# Allegro board Flatburn-main PCB.brd (continued)
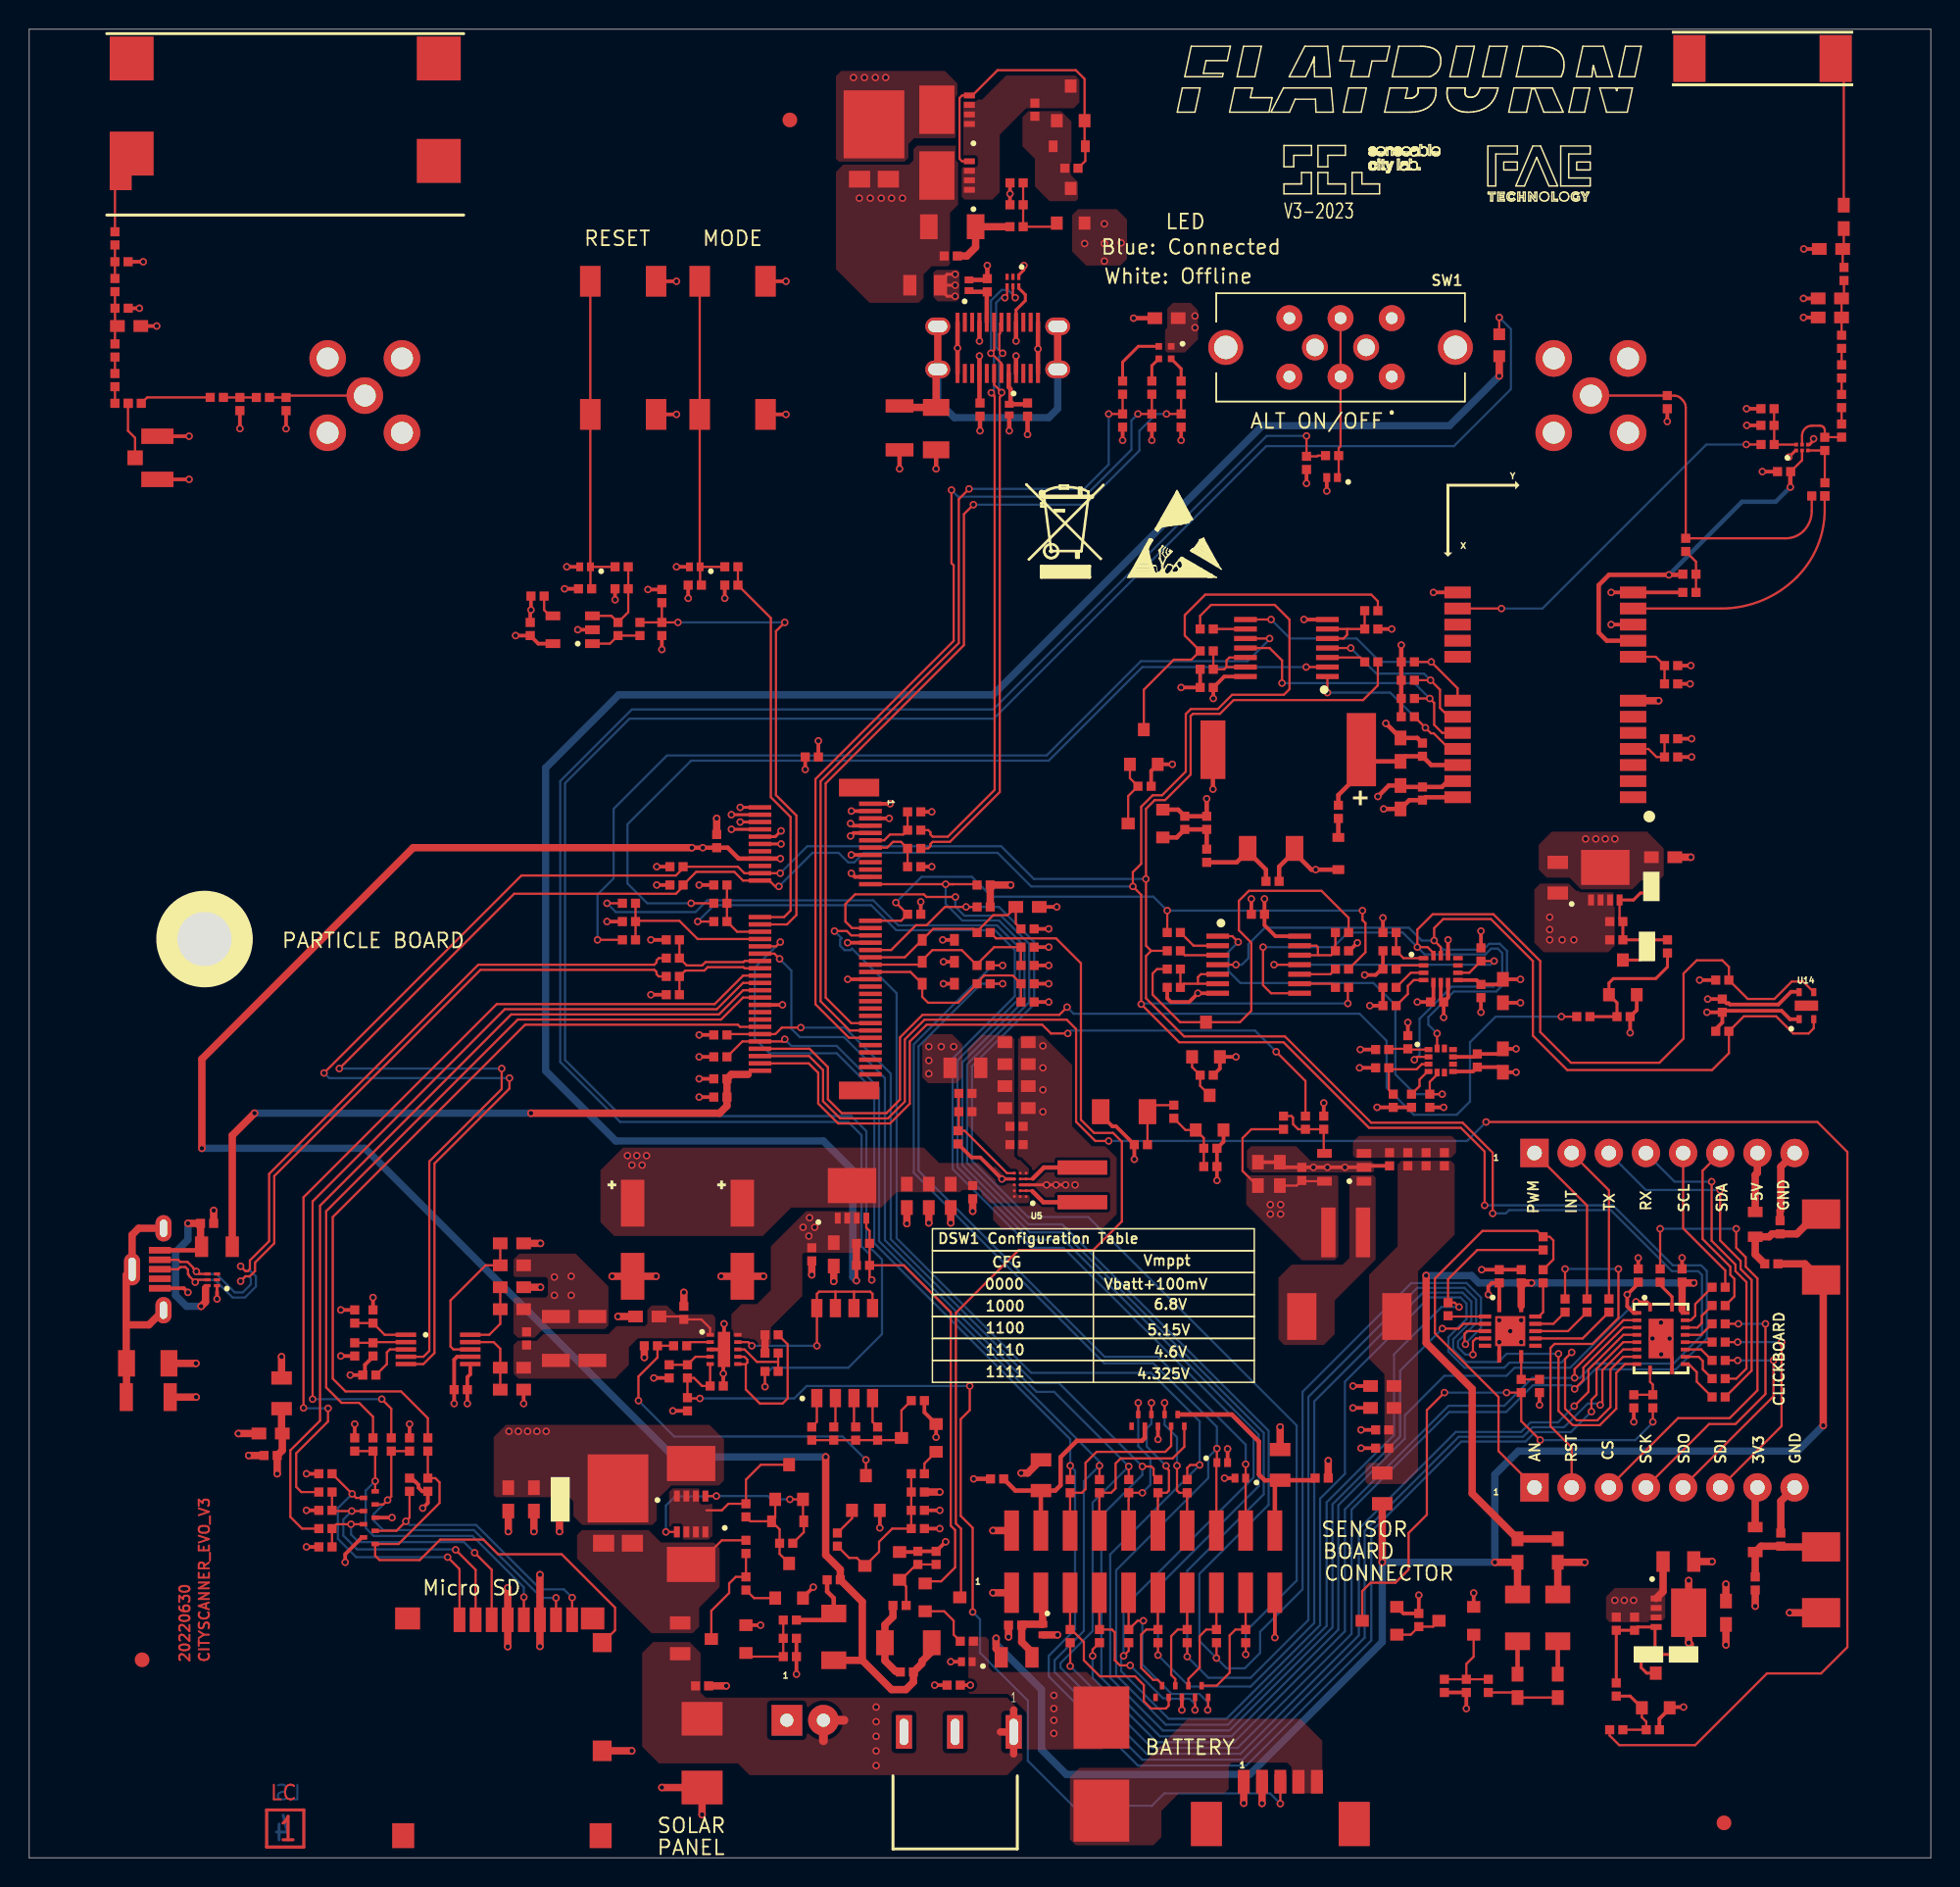
[diagram p0: board, top side]
## Copper pours and planes (outline as drawn; the poured copper is in the pictures) (continued)
VCHARGER on POWER: 45.5,124.45 45.5,107.5 28.85,91 28.85,44.3 34.4,38.75 34.4,32.8 32.05,30.45 32.05,28.5 32.5,28.05 36.6,28.05 38.65,30.1 38.65,41.8 32.3,48.15 32.3,89.1 51,107.84 51,117.65 59.7,117.65 59.7,124.45
VSOLAR on TOP: 37.8,22.4 42.35,22.4 43.2,21.55 46.8,21.55 47.2,21.15 47.2,18.5 45.8,17.1 45.8,15.8 45.35,15.35 42.55,15.35 37.45,20.45 37.45,22.05
VSOLAR# on TOP: 42.65,14.75 45.15,14.75 45.9,14 45.9,11.3 46.25,10.95 53.3,10.95 66.85,10.95 67.9,9.9 67.9,6.69 66.86,5.65 49.25,5.65 48.45,6.45 43.05,6.45 41.9,7.6 41.9,14
VSOLAR# on POWER: 53.62,10.95 66.75,10.95 67.9,9.8 67.9,6.69 66.85,5.65 53.8,5.65 53.3,6.14 53.3,10.64
VUSB on TOP: 57.45,106.3 60.8,106.3 61.15,106.65 61.15,108.25 61.7,108.8 62.8,108.8 62.95,108.95 62.95,112.45 63.5,113 63.5,116.95 63.4,117.05 60.7,117.05 60.45,116.8 60.45,116.05 60.15,115.75 55.65,115.75 55.15,115.25 55.15,108.6
VUSB on POWER: 45.75,69.95 48.85,69.95 49.9,71 49.9,79.85 54.35,84.3 54.35,114.1 60.3,114.1 60.3,85.45 51.45,76.6 51.45,71.15 50.65,70.35 50.65,69.1 51,68.75 51.65,68.75 51.9,68.5 51.9,67.9 51.6,67.6 45.1,67.6 44.25,68.45
VUSB# on TOP: 61.8,106.7 61.8,108.35 62,108.55 63.45,108.55 63.6,108.4 63.6,106.6 63.4,106.4 62.1,106.4
VUSB# on POWER: 67.9,102.25 67.9,104.15 64.9,107.15 64.9,107.95 64.15,108.7 63,108.7 62.55,108.25 62.55,103.75 64.4,101.9 67.55,101.9
N16742457 on TOP: 44.15,21.75 46.45,21.75 46.7,22 46.7,25.1 46.5,25.3 44.05,25.3 43.75,25 43.75,22.15
N16765000 on TOP: 46.9,35.55 46.9,36.95 46.7,37.15 44.2,37.15 43.6,37.75 42.55,37.75 42.25,37.45 42.25,36.5 42.1,36.35 40.15,36.35 39.6,35.8 35.15,35.8 34.7,35.35 33.4,35.35 33.1,35.05 33.1,33.1 33.45,32.75 40.05,32.75 41,33.7 41,34.9 41.6,35.5 46.85,35.5
N16769654 on TOP: 90.4,46.65 91.9,46.65 92.05,46.5 92.05,40.9 89.25,38.1 89.25,35.8 88.5,35.05 85.8,35.05 85.4,35.45 85.4,39.65 86.3,40.55 89.8,40.55 90.25,41 90.25,46.5
N16771488 on TOP: 91.5,25.55 94.05,25.55 94.95,26.45 94.95,40.1 97.45,42.6 97.45,47.4 97.2,47.65 93.8,47.65 93.55,47.4 93.55,41.8 91.6,39.85 91.6,34.1 92.65,33.05 92.65,27.35 92.3,27 91.6,27 91.35,26.75 91.35,25.7
N16771495 on TOP: 97.2,47.85 90.65,47.85 90.5,48 90.5,48.95 90.9,49.35 97.25,49.35 97.55,49.05 97.55,48.2
N16779338 on TOP: 67.65,46.65 68.25,46.65 68.35,46.75 68.35,47.1 67.75,47.7 67.6,47.7 67.35,47.95 67.35,55.95 67.05,56.25 65.1,56.25 64.15,55.3 64.15,50.05 67.1,47.1 67.4,47.1 67.55,46.95 67.55,46.75
N16857926 on POWER: 33.1,14.05 33.1,21.15 27.55,26.7 27.55,29 26.45,30.1 19.2,30.1 16.5,27.4 16.5,22.45 19.75,19.2 25.95,19.2 31.4,13.75 32.8,13.75
N16881333 on TOP: 63.9,120.2 65.15,120.2 66.8,121.85 71.5,121.85 71.8,121.55 71.8,120 71.4,119.6 68.15,119.6 66.35,117.8 66.35,113.85 65.85,113.35 63.95,113.35 63.75,113.55 63.75,120.05
N16897203 on TOP: 86.9,9.5 79.2,9.5 75.85,6.15 71.8,6.15 71.15,5.5 71.15,1.25 71.55,0.85 76.85,0.85 77.4,1.4 77.4,3.2 78.6,4.4 81.7,4.4 82,4.7 82,6.3 82.2,6.5 86,6.5 86.3,6.2 86.3,4.4 88,4.4 88.4,4.8 88.4,8
N16997668 on TOP: 68.3,119.4 70.55,119.4 71.25,118.7 71.25,115 71.7,114.55 71.7,113.4 71.55,113.25 69.75,113.25 68.75,114.25 68.75,116.15 67.9,117 67.9,119

## Text on the board
BOTTOM: LS
TOP: 20220630 | CITYSCANNER_EVO_V3 | LC
Ref Des/Silkscreen Top: DSW1 Configuration Table | 0000 | 1000 | 1100 | 1110 | 1111 | CFG | Vbatt+100mV | 4.325V | Vmppt | 5.15V | 6.8V | 4.6V | PWM | AN | INT | RST | CS | TX | RX | SCK | SCL | SDO | SDI | SDA | 5V | 3V3 | CLICKBOARD | GND | V3-2023 | PARTICLE BOARD | Micro SD | RESET | SOLAR | PANEL | MODE | Blue: Connected | White: Offline | BATTERY | LED | ALT ON/OFF | SENSOR | BOARD | CONNECTOR
XSECTION_CHART: *  SURFACE - AIR 0 MM | * SOLDERMASK_TOP MASK - SOLDERMASK 0.02 MM | L1 TOP CONDUCTOR - COPPER 0.035 MM | *  DIELECTRIC - FR-4 0.1 MM | L2 L2 PLANE - COPPER 0.035 MM | *  DIELECTRIC - FR-4 1.3 MM | L3 L3 PLANE - COPPER 0.035 MM | L4 BOTTOM CONDUCTOR - COPPER 0.035 MM | * SOLDERMASK_BOTTOM MASK - SOLDERMASK 0.02 MM | DESIGN CROSS SECTION CHART | ___________________________ | TOTAL THICKNESS 1.68 MM | 1-4
PAGE_OUTLINE: TOP/BOTTOM | 0.15 | 0.20 | - | 90ohm | +/- 10%
User.7: FIGURE | FINISHED SIZE | 0.3048 | 0.8128 | 0.9 | 1.0 | 1.1938 | 1.5 | 1.6002 | 3.7 | 0.6 | 1.1 | 1.3 | 1.6 | 3.0 | 1.2x0.5 | 1.3x0.8 | 1.6x0.5 | 1.8x0.6 | ALL UNITS ARE IN MILLIMETERS | TOLERANCE | +0.0/-0.0 | +0.075/-0.075 | +0.05/-0.05 | TYPE | PLATED | NON-PLATED | QTY | 513 | 6 | 2 | 16 | 10 | 1 | 4 | 3 | DRILL CHART: TOP to BOTTOM
